# Altium PCB IPG.PcbDoc (part 1 of 10) (continued)
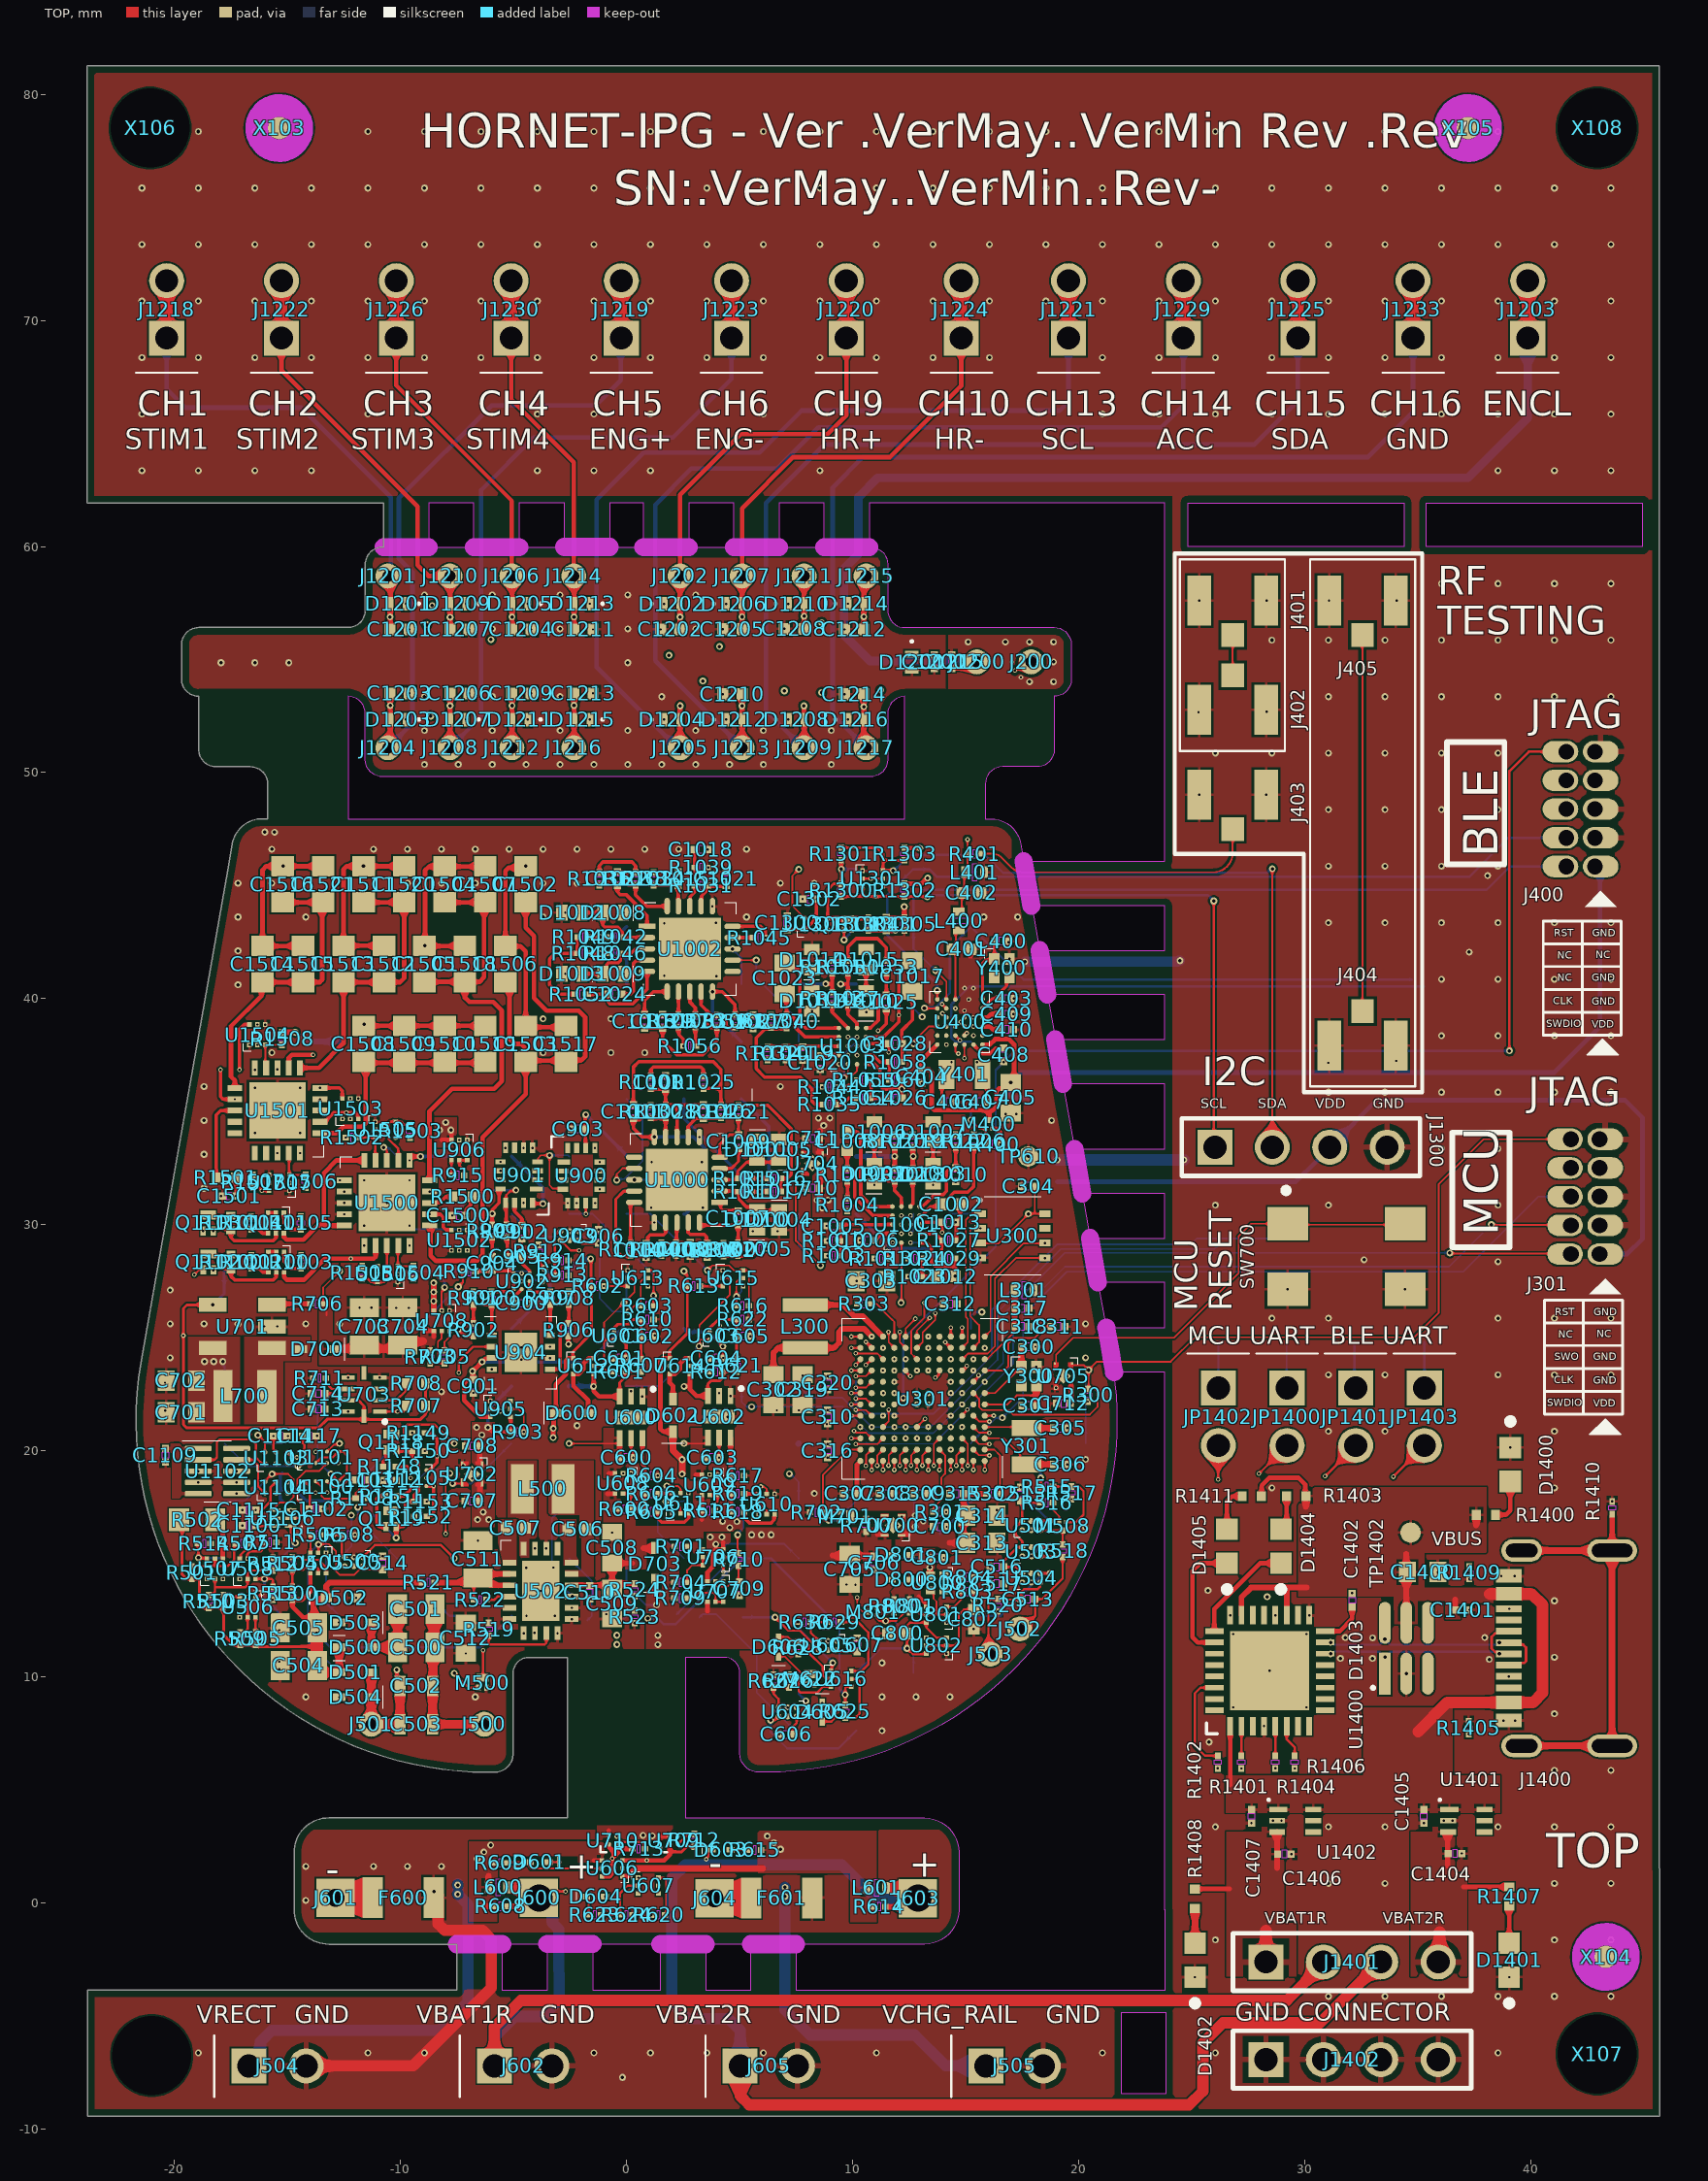
[diagram p0: TOP view]
## Design rules (kind name [scope] priority, off if disabled: settings) (continued)
DiffPairsRouting [All] p2: maxlimit=0.254 minlimit=0.254 mostfreqgap=0.254 toplayer_minwidth=0.381 toplayer_maxwidth=0.381 toplayer_prefwidth=0.381 midlayer1_minwidth=0.381 midlayer1_maxwidth=0.381 midlayer1_prefwidth=0.381 midlayer2_minwidth=0.381 midlayer2_maxwidth=0.381 midlayer2_prefwidth=0.381 midlayer3_minwidth=0.381 midlayer3_maxwidth=0.381 midlayer3_prefwidth=0.381 midlayer4_minwidth=0.381 midlayer4_maxwidth=0.381 midlayer4_prefwidth=0.381 midlayer5_minwidth=0.381 midlayer5_maxwidth=0.381 midlayer5_prefwidth=0.381 midlayer6_minwidth=0.381 midlayer6_maxwidth=0.381 midlayer6_prefwidth=0.381 midlayer7_minwidth=0.381 midlayer7_maxwidth=0.381 midlayer7_prefwidth=0.381 midlayer8_minwidth=0.381 midlayer8_maxwidth=0.381 midlayer8_prefwidth=0.381 bottomlayer_minwidth=0.381 bottomlayer_maxwidth=0.381 bottomlayer_prefwidth=0.381 substack1={3E7DB748-9F02-419D-9B08-30533E7470E3} toplayer_{3e7db748-9f02-419d-9b08-30533e7470e3}_minwidth=0.381 toplayer_{3e7db748-9f02-419d-9b08-30533e7470e3}_maxwidth=0.381 toplayer_{3e7db748-9f02-419d-9b08-30533e7470e3}_prefwidth=0.381 midlayer1_{3e7db748-9f02-419d-9b08-30533e7470e3}_minwidth=0.381 midlayer1_{3e7db748-9f02-419d-9b08-30533e7470e3}_maxwidth=0.381 midlayer1_{3e7db748-9f02-419d-9b08-30533e7470e3}_prefwidth=0.381 midlayer2_{3e7db748-9f02-419d-9b08-30533e7470e3}_minwidth=0.381 midlayer2_{3e7db748-9f02-419d-9b08-30533e7470e3}_maxwidth=0.381 midlayer2_{3e7db748-9f02-419d-9b08-30533e7470e3}_prefwidth=0.381 midlayer3_{3e7db748-9f02-419d-9b08-30533e7470e3}_minwidth=0.381 midlayer3_{3e7db748-9f02-419d-9b08-30533e7470e3}_maxwidth=0.381 midlayer3_{3e7db748-9f02-419d-9b08-30533e7470e3}_prefwidth=0.381 midlayer4_{3e7db748-9f02-419d-9b08-30533e7470e3}_minwidth=0.381 midlayer4_{3e7db748-9f02-419d-9b08-30533e7470e3}_maxwidth=0.381 midlayer4_{3e7db748-9f02-419d-9b08-30533e7470e3}_prefwidth=0.381 midlayer5_{3e7db748-9f02-419d-9b08-30533e7470e3}_minwidth=0.381 midlayer5_{3e7db748-9f02-419d-9b08-30533e7470e3}_maxwidth=0.381 midlayer5_{3e7db748-9f02-419d-9b08-30533e7470e3}_prefwidth=0.381 midlayer6_{3e7db748-9f02-419d-9b08-30533e7470e3}_minwidth=0.381 midlayer6_{3e7db748-9f02-419d-9b08-30533e7470e3}_maxwidth=0.381 midlayer6_{3e7db748-9f02-419d-9b08-30533e7470e3}_prefwidth=0.381 midlayer7_{3e7db748-9f02-419d-9b08-30533e7470e3}_minwidth=0.381 midlayer7_{3e7db748-9f02-419d-9b08-30533e7470e3}_maxwidth=0.381 midlayer7_{3e7db748-9f02-419d-9b08-30533e7470e3}_prefwidth=0.381 midlayer8_{3e7db748-9f02-419d-9b08-30533e7470e3}_minwidth=0.381 midlayer8_{3e7db748-9f02-419d-9b08-30533e7470e3}_maxwidth=0.381 midlayer8_{3e7db748-9f02-419d-9b08-30533e7470e3}_prefwidth=0.381 bottomlayer_{3e7db748-9f02-419d-9b08-30533e7470e3}_minwidth=0.381 bottomlayer_{3e7db748-9f02-419d-9b08-30533e7470e3}_maxwidth=0.381 bottomlayer_{3e7db748-9f02-419d-9b08-30533e7470e3}_prefwidth=0.381 filterlayerstackid={A074DC63-9603-4F09-AF23-0239F3F14C14} maxuncoupledlength=12.7
FabricationTestPointUsage [All] p1 off: valid=0 allowmultiple=FALSE
FabricationTestpoint [All] p1 off: side=3 testpointundercomponent=TRUE minsize=1.016 maxsize=2.54 preferedsize=1.524 minholesize=0 maxholesize=1.016 preferedholesize=0.813 testpointgrid=0.025 allowsidetop=TRUE allowsidebottom=TRUE usegrid=TRUE gridtolerance=0
FanoutControl Fanout_Default [All] p1: bgadir=Out bgaviamode=Centered fanoutstyle=Auto fanoutdirection=Alternating viagrid=0.025 // Fanout_Default (Default Rule)
HoleSize [All] p1: absolutevalues=TRUE maxlimit=5 minlimit=0.07 maxpercent=80.000 minpercent=20.000
HoleToHoleClearance HoleToHoleClearance_Drilled [IsBlindVia or IsThruVia vs IsBlindVia or IsThruVia] p1: gap=0.25 allowstackedmicrovias=FALSE
HoleToHoleClearance [IsVia vs IsVia] p2: gap=0.203 allowstackedmicrovias=FALSE
MatchedLengths [InDifferentialPair('USB')] p1: tolerance=1 checknetsindiffpair=FALSE checkdiffpairvsdiffpair=TRUE checkxsignals=TRUE checkothers=TRUE
MaxMinImpedance "Schematic Impedance Constraint" [InNetClass('50_OHM')] p1: minimum=50.00 maximum=50.00
MaxMinImpedance [InNet('NetC59_1')] p2: minimum=50.00 maximum=50.00
MinimumSolderMaskSliver MinimumSolderMaskSliver_GSS_PERF [All] p1: minsoldermaskwidth=0.076
NetAntennae [not (WithinRoom('ENPANEL') or WithinRoom('POWERIN') or WithinRoom('THERM'))] p1: netantennaetolerance=0
PermittedLayers [All] p1: toplayerpermitted=TRUE bottomlayerpermitted=TRUE
PlaneClearance [IsPolygon] p1 off: clearance=0.076
PlaneConnect [All] p1 off: planeconnectstyle=Direct reliefexpansion=0.508 reliefentries=4 reliefconductorwidth=0.254 reliefairgap=0.254
PolygonConnect PolygonConnect_BAT [InNet('VBAT1R') or InNet('VBAT2R') or InNet('VGND1R') or InNet('VGND2R') vs InNet('VBAT1R') or InNet('VBAT2R') or InNet('VGND1R') or InNet('VGND2R')] p1: connectstyle=Direct reliefconductorwidth=0.254 reliefentries=4 polygonreliefangle="90 Angle" airgapwidth=0.254
PolygonConnect PolygonConnect_DCDC [InNetClass('DCDC_LOOP') AND not InComponent('U706')] p2: connectstyle=Direct reliefconductorwidth=0.254 reliefentries=4 polygonreliefangle="90 Angle" airgapwidth=0.254
PolygonConnect PolygonConnect_POWER_0201 [InNetClass('POWER')AND Not InNet('GND') AND (HasFootprint('C0201_C') OR HasFootprint('R0201_C'))] p3: thpad.connectstyle=Relief thpad.reliefconductorwidth=0.127 thpad.reliefentries=4 thpad.polygonreliefangle="90 Angle" thpad.airgapwidth=0.076 smdpad.connectstyle=Relief smdpad.reliefconductorwidth=0.127 smdpad.reliefentries=4 smdpad.polygonreliefangle="90 Angle" smdpad.airgapwidth=0.076 via.connectstyle=Direct via.reliefconductorwidth=0.127 via.reliefentries=4 via.polygonreliefangle="90 Angle" via.airgapwidth=0.076
PolygonConnect PolygonConnect_POWER [InNetClass('POWER')AND Not InNet('GND')] p4: thpad.connectstyle=Relief thpad.reliefconductorwidth=0.127 thpad.reliefentries=4 thpad.polygonreliefangle="90 Angle" thpad.airgapwidth=0.127 smdpad.connectstyle=Relief smdpad.reliefconductorwidth=0.127 smdpad.reliefentries=4 smdpad.polygonreliefangle="90 Angle" smdpad.airgapwidth=0.127 via.connectstyle=Direct via.reliefconductorwidth=0.127 via.reliefentries=4 via.polygonreliefangle="90 Angle" via.airgapwidth=0.127
PolygonConnect PolygonConnect_ANT [InNet('NetC200_*') OR InNet('NetC208_2') OR InNet('ANT+')] p5: connectstyle=Direct reliefconductorwidth=0.102 reliefentries=4 polygonreliefangle="90 Angle" airgapwidth=0.102
PolygonConnect [All] p6: thpad.connectstyle=Relief thpad.reliefconductorwidth=0.254 thpad.reliefentries=4 thpad.polygonreliefangle="90 Angle" thpad.airgapwidth=0.254 smdpad.connectstyle=Relief smdpad.reliefconductorwidth=0.127 smdpad.reliefentries=4 smdpad.polygonreliefangle="90 Angle" smdpad.airgapwidth=0.102 via.connectstyle=Direct via.reliefconductorwidth=0.102 via.reliefentries=4 via.polygonreliefangle="90 Angle" via.airgapwidth=0.102
RoomDefinition BGA1 [False] p1: confinementstyle=ConfineIn formatcopy=TRUE lockcomponents=FALSE outline 13.478,37.668 13.478,40.208 15.983,40.208 15.983,37.668
RoomDefinition BGA6 [False] p2: confinementstyle=ConfineIn formatcopy=TRUE lockcomponents=FALSE outline -16.2,17.8 -12.395,17.8 -12.395,20.2 -16.2,20.2
RoomDefinition BGA2 [False] p3: confinementstyle=ConfineIn formatcopy=TRUE lockcomponents=FALSE outline 11.467,28.935 13.267,28.935 13.267,31.074 11.467,31.074
RoomDefinition BGA5 [False] p4: confinementstyle=ConfineIn formatcopy=TRUE lockcomponents=FALSE outline 9.145,36.88 10.855,36.88 10.855,38.92 9.145,38.92
RoomDefinition BGA4 [False] p5: confinementstyle=ConfineIn formatcopy=TRUE lockcomponents=FALSE outline 9.6,18.8 9.6,25.8 16.6,25.8 16.6,18.8
RoutingCorners [All] p1 off: cornerstyle=45-Degree minsetback=2.54 maxsetback=2.54
RoutingVias RoutingVia [All] p1: holewidth=0.102 width=0.203 viastyle="Through Hole" minholewidth=0.102 minwidth=0.203 maxholewidth=0.254 maxwidth=0.508 viatemplateguid#1={6F137D39-EFB3-471D-AB9A-2024EF80A49C} viatemplatename#1=70u/200u
SMDEntry [All] p1: side=TRUE corner=TRUE anyangle=TRUE
SMDNeckDown [All] p1 off: percent=50.000
SilkToSilkClearance [All] p1 off: silktosilkclearance=0.127
SilkToSolderMaskClearance SilkscreenOverComponentPads [All] p1: minsilkscreentomaskgap=0.102 clearancetoexposedcopper=FALSE
SolderMaskExpansion SolderMaskExpansion_Via [IsVia] p1: expansion=0.102 istentingtop=TRUE
SolderMaskExpansion SolderMaskExpansion_GSS_LE_BGA [WithinRoom('BGA1','BGA2','BGA3','BGA4','BGA5')] p2: expansion=0.06 istentingtop=FALSE
SolderMaskExpansion SolderMaskExpansion_GSS_PERF [not IsVia] p3: expansion=0.075 istentingtop=FALSE
SolderMaskExpansion SolderMaskExpansion_GSS_LE [All] p4 off: expansion=0.06 istentingtop=FALSE
SupplyNets "Schematic Supply Nets_9" [InNet('VLXSMPS')] p1: voltage=3.300
SupplyNets "Schematic Supply Nets_8" [InNet('CHG2_VCC')] p2: voltage=5.000
SupplyNets "Schematic Supply Nets_7" [InNet('CHG1_VCC')] p3: voltage=5.000
SupplyNets "Schematic Supply Nets_6" [InNet('ACC_VDD')] p4: voltage=3.300
SupplyNets "Schematic Supply Nets_4" [InNet('NetC410_1')] p5: voltage=3.300
SupplyNets "Schematic Supply Nets_3" [InNet('+VDD_BLE')] p6: voltage=3.300
SupplyNets "Schematic Supply Nets_2" [InNet('NetC409_2')] p7: voltage=3.300
SupplyNets "Schematic Supply Nets_1" [InNet('NetC408_2')] p8: voltage=3.300
SupplyNets "Schematic Supply Nets" [InNet('VDD11')] p9: voltage=3.300
SupplyNets "Schematic Supply Nets_50" [InNet('+VBUS')] p10: voltage=5.000
SupplyNets "Schematic Supply Nets_49" [InNet('+VCHG_RAIL')] p11: voltage=5.000
SupplyNets "Schematic Supply Nets_48" [InNet('+VDDS')] p12: voltage=3.300
SupplyNets "Schematic Supply Nets_47" [InNet('+DVDD')] p13: voltage=3.300
SupplyNets "Schematic Supply Nets_46" [InNet('+VDDA')] p14: voltage=3.300
SupplyNets "Schematic Supply Nets_45" [InNet('+VGND2R')] p15: voltage=0.000
SupplyNets "Schematic Supply Nets_44" [InNet('+VBAT2CHG')] p16: voltage=0.000
SupplyNets "Schematic Supply Nets_43" [InNet('+VCARR')] p17: voltage=0.000
SupplyNets "Schematic Supply Nets_42" [InNet('+VGND1R')] p18: voltage=0.000
SupplyNets "Schematic Supply Nets_41" [InNet('+VPP')] p19: voltage=0.000
SupplyNets "Schematic Supply Nets_40" [InNet('+VBAT1CHG')] p20: voltage=0.000
SupplyNets "Schematic Supply Nets_39" [InNet('+V_UNREG')] p21: voltage=0.000
SupplyNets "Schematic Supply Nets_38" [InNet('+VIMP_3V3')] p22: voltage=0.000
SupplyNets "Schematic Supply Nets_37" [InNet('+VBAT2F')] p23: voltage=0.000
SupplyNets "Schematic Supply Nets_36" [InNet('+HVOUT')] p24: voltage=0.000
SupplyNets "Schematic Supply Nets_35" [InNet('+HVIN')] p25: voltage=0.000
SupplyNets "Schematic Supply Nets_33" [InNet('+VBAT1SW')] p26: voltage=0.000
SupplyNets "Schematic Supply Nets_32" [InNet('+VBAT1R')] p27: voltage=0.000
SupplyNets "Schematic Supply Nets_31" [InNet('+VIMP_PP')] p28: voltage=0.000
SupplyNets "Schematic Supply Nets_30" [InNet('+VBAT2SW')] p29: voltage=0.000
SupplyNets "Schematic Supply Nets_29" [InNet('+VRECT')] p30: voltage=0.000
SupplyNets "Schematic Supply Nets_28" [InNet('+VBAT2R')] p31: voltage=0.000
SupplyNets "Schematic Supply Nets_27" [InNet('+VMAGNET')] p32: voltage=0.000
SupplyNets "Schematic Supply Nets_26" [InNet('+DCDC_IN')] p33: voltage=0.000
SupplyNets "Schematic Supply Nets_25" [InNet('+VBAT1F')] p34: voltage=0.000
SupplyNets "Schematic Supply Nets_15" [InNet('GND')] p35: voltage=0.000
UnConnectedPin [All] p1 off:
UnRoutedNet [All] p1: checkbadconnections=TRUE
Width Width_ANT_TOP_layer [OnLayer('TOP') and InNetClass('50_OHM')] p1: maxlimit=0.254 minlimit=0.076 preferedwidth=0.254 toplayer_minwidth=0.084 toplayer_maxwidth=0.084 toplayer_prefwidth=0.084 substack1={3E7DB748-9F02-419D-9B08-30533E7470E3} toplayer_{3e7db748-9f02-419d-9b08-30533e7470e3}_minwidth=0.254 midlayer1_{3e7db748-9f02-419d-9b08-30533e7470e3}_minwidth=0.254 midlayer2_{3e7db748-9f02-419d-9b08-30533e7470e3}_minwidth=0.254 midlayer3_{3e7db748-9f02-419d-9b08-30533e7470e3}_minwidth=0.254 midlayer6_{3e7db748-9f02-419d-9b08-30533e7470e3}_minwidth=0.254 bottomlayer_{3e7db748-9f02-419d-9b08-30533e7470e3}_minwidth=0.254 impedanceprofiledriven=TRUE impedanceprofileid={823FEB0B-B66F-45F3-9F92-E5AAAC55A20F} impedanceprofilevalue=50.000000 minimp=50.000000 maximp=50.000000 favimp=50.000000
Width Width_ANT_inner_layer [OnLayer('POWER') and InNetClass('50_OHM')] p2: maxlimit=0.076 minlimit=0.029 preferedwidth=0.071 midlayer5_minwidth=0.071 midlayer5_maxwidth=0.071 substack1={3E7DB748-9F02-419D-9B08-30533E7470E3} toplayer_{3e7db748-9f02-419d-9b08-30533e7470e3}_minwidth=0.254 toplayer_{3e7db748-9f02-419d-9b08-30533e7470e3}_maxwidth=0.254 toplayer_{3e7db748-9f02-419d-9b08-30533e7470e3}_prefwidth=0.254 midlayer1_{3e7db748-9f02-419d-9b08-30533e7470e3}_minwidth=0.254 midlayer1_{3e7db748-9f02-419d-9b08-30533e7470e3}_maxwidth=0.254 midlayer1_{3e7db748-9f02-419d-9b08-30533e7470e3}_prefwidth=0.254 midlayer2_{3e7db748-9f02-419d-9b08-30533e7470e3}_minwidth=0.254 midlayer2_{3e7db748-9f02-419d-9b08-30533e7470e3}_maxwidth=0.254 midlayer2_{3e7db748-9f02-419d-9b08-30533e7470e3}_prefwidth=0.254 midlayer3_{3e7db748-9f02-419d-9b08-30533e7470e3}_minwidth=0.254 midlayer3_{3e7db748-9f02-419d-9b08-30533e7470e3}_maxwidth=0.254 midlayer3_{3e7db748-9f02-419d-9b08-30533e7470e3}_prefwidth=0.254 midlayer5_{3e7db748-9f02-419d-9b08-30533e7470e3}_minwidth=0.089 midlayer5_{3e7db748-9f02-419d-9b08-30533e7470e3}_maxwidth=0.089 midlayer5_{3e7db748-9f02-419d-9b08-30533e7470e3}_prefwidth=0.089 midlayer6_{3e7db748-9f02-419d-9b08-30533e7470e3}_minwidth=0.254 midlayer6_{3e7db748-9f02-419d-9b08-30533e7470e3}_maxwidth=0.254 midlayer6_{3e7db748-9f02-419d-9b08-30533e7470e3}_prefwidth=0.254 bottomlayer_{3e7db748-9f02-419d-9b08-30533e7470e3}_minwidth=0.254 bottomlayer_{3e7db748-9f02-419d-9b08-30533e7470e3}_maxwidth=0.254 bottomlayer_{3e7db748-9f02-419d-9b08-30533e7470e3}_prefwidth=0.254 impedanceprofiledriven=TRUE impedanceprofileid={6B18A218-5760-4BF1-B6E5-0FB2CE448664} impedanceprofilevalue=50.000000 minimp=50.000000 maximp=50.000000 favimp=50.000000
Width Width_ANALOG [InNetClass('ANALOG')] p3: maxlimit=2 minlimit=0.102 preferedwidth=0.102 substack1={3E7DB748-9F02-419D-9B08-30533E7470E3} toplayer_{3e7db748-9f02-419d-9b08-30533e7470e3}_maxwidth=10 midlayer1_{3e7db748-9f02-419d-9b08-30533e7470e3}_maxwidth=10 midlayer2_{3e7db748-9f02-419d-9b08-30533e7470e3}_maxwidth=10 midlayer3_{3e7db748-9f02-419d-9b08-30533e7470e3}_maxwidth=10 midlayer4_{3e7db748-9f02-419d-9b08-30533e7470e3}_maxwidth=10 midlayer5_{3e7db748-9f02-419d-9b08-30533e7470e3}_maxwidth=10 midlayer6_{3e7db748-9f02-419d-9b08-30533e7470e3}_maxwidth=10 midlayer7_{3e7db748-9f02-419d-9b08-30533e7470e3}_maxwidth=10 midlayer8_{3e7db748-9f02-419d-9b08-30533e7470e3}_maxwidth=10 bottomlayer_{3e7db748-9f02-419d-9b08-30533e7470e3}_maxwidth=10
Width Width_GSS_STD_3mil [All] p4: maxlimit=10 minlimit=0.076 preferedwidth=0.127 substack1={3E7DB748-9F02-419D-9B08-30533E7470E3} toplayer_{3e7db748-9f02-419d-9b08-30533e7470e3}_prefwidth=0.102 midlayer1_{3e7db748-9f02-419d-9b08-30533e7470e3}_prefwidth=0.102 midlayer2_{3e7db748-9f02-419d-9b08-30533e7470e3}_prefwidth=0.102 midlayer3_{3e7db748-9f02-419d-9b08-30533e7470e3}_prefwidth=0.102 midlayer4_{3e7db748-9f02-419d-9b08-30533e7470e3}_prefwidth=0.102 midlayer5_{3e7db748-9f02-419d-9b08-30533e7470e3}_prefwidth=0.102 midlayer6_{3e7db748-9f02-419d-9b08-30533e7470e3}_prefwidth=0.102 midlayer7_{3e7db748-9f02-419d-9b08-30533e7470e3}_prefwidth=0.102 midlayer8_{3e7db748-9f02-419d-9b08-30533e7470e3}_prefwidth=0.102 bottomlayer_{3e7db748-9f02-419d-9b08-30533e7470e3}_prefwidth=0.102
9 further rules are at their usual default settings.

## Classes and differential pairs
net class DCDC_LOOP: +HVIN BST1_VCHG BST2_VCHG NetD700_2 SW1_VCHG SW2_VCHG
component class "Stim. CH Selection": C1500 C1501 C1502 C1503 C1504 C1505 C1506 C1507 C1508 C1509 C1510 C1511 C1512 C1513 C1514 C1515 C1516 C1517 C1518 C1519 C1520 C1521 R1500 R1501 R1502 R1503 R1504 R1505 R1506 R1507 R1508 TP1500 TP1501 TP1502 U1500 U1501 U1502 U1503 U1504 U1505 U1506 U1507
net class POWER: +DCDC_IN +DVDD +HVIN +HVOUT +V_UNREG +VBAT1CHG +VBAT1F +VBAT1R +VBAT1SW +VBAT2CHG +VBAT2F +VBAT2R +VBAT2SW +VCARR +VCHG_RAIL +VDD_BLE +VDDA +VDDS +VMAGNET +VPP +VRECT ACC_VDD BST1_VCHG BST2_VCHG CHG1_VCC CHG2_VCC COIL_PAD_1 COIL_PAD_2 NetC408_2 NetC409_2 NetC410_1 NetD600_2 NetD602_2 NetD700_2 NetR701_2 SW1_VCHG SW2_VCHG VDD11 VLXSMPS
net class DIGITAL: ACC.SCL ACC.SDA ACC_EN AMPL_RSTn BATT.MON_EN BATT.SW_EN BLE_P.1 BLE_P.2 BLE_PWRn BLE_RSTn BLE_SWDCLK BLE_SWDIO BLE_XL1 BLE_XL2 CB_EN CHG1.EN CHG1.OVP_ERRn CHG1.STATUS CHG2.EN CHG2.OVP_ERRn CHG2.STATUS CHG_RATE1 CHG_RATE2 DEBUG_UART_RX DEBUG_UART_TX ECG.HR_LOD ECG.HR_SDNn ECG.RLD ECG.RR_LOD ECG.RR_SDNn ENG1.LOD ENG1.SDNn ENG2.LOD ENG2.SDNn FRAM_EN HV_EN HVSW_EN I2C2.SCL I2C2.SDA IMP_EN IMP_ENn IMP_IN+_SEL IMP_IN-_SEL0 IMP_IN-_SEL1 IMP_IN-_SEL2 IPG_SHDN MAG_DET MUX_ENn NetC400_1 NetC403_1 PG_START PH1_EN PH2_EN SNK1 SNK2 SNK3 SNK4 SNK5 SPI1.BLE_CSn SPI1.FRAM_CSn SPI1.MISO SPI1.MOSI SPI1.SCK SRC1 SRC2 STIM_EN STIM_SEL.CH1n STIM_SEL.CH2n STIM_SEL.CH3n STIM_SEL.CH4n STIM_SEL.ENCLn STIMA_SELn STIMB_SELn SWCLK SWDIO SWO SYS_RSTn TEMP_EN USB_N USB_P VCHG_DISABLE VCHG_PGOOD VDDA_EN VDDS_EN VNSb_EN VPPSW_EN VRECT.DETn VRECT.MON_EN VRECT.OVPn XL_SCL XL_SDA
net class ANALOG: B1 B2 BASE_VCC1 BASE_VCC2 BATT.MON1 BATT.MON2 BATT_SW CH1 CH1_STIM_OR_SINK CH2 CH2_STIM_OR_SINK CH3 CH3_STIM_OR_SINK CH4 CH4_STIM_OR_SINK DAC1_VOUTA DAC1_VOUTB ECG.HR_OUT ECG.RR_OUT ECG_HR+ ECG_HR- ECG_RR+ ECG_RR- ENCL ENCL_STIM_OR_SINK ENG1+ ENG1- ENG1.OUT ENG2+ ENG2- ENG2.OUT HPF_1V5 IMP_OUT+ IMP_OUT- IREF1 IREF2 NetC904_2 NetC905_2 NetR1148_1 NetR1151_1 RC2_VC SINK_CH1 SINK_CH2 SINK_CH3 SINK_CH4 SINK_ENCL STIM1 STIM2 STIMA STIMB THERM.OFST THERM.OUT THERM.REF VBUFF_IN+ VBUFF_IN- VDAC1_BUF VDAC2_BUF VDACA VDACB VIMC_IN+ VIMC_IN- VRECT.MON
component class "Test Fixture": C1400 C1401 C1402 C1404 C1405 C1406 C1407 D1400 D1401 D1402 D1403 D1404 D1405 J1400 J1401 J1402 JP1400 JP1401 JP1402 JP1403 R1400 R1401 R1402 R1403 R1404 R1405 R1406 R1407 R1408 R1409 R1410 R1411 TP1402 TP1405 TP1406 U1400 U1401 U1402
component class Digital: C1300 C1301 C1302 J1300 Q1300 R1300 R1301 R1302 R1303 R1304 R1305 TP1300 TP1301 TP1302 U1300 U1301
component class WPT: C500 C501 C502 C503 C504 C505 C506 C507 C508 C509 C510 C511 C512 C513 C514 C515 C516 C517 D500 D501 D502 D503 D504 J500 J501 J502 J503 J504 J505 L500 M500 M508 R500 R501 R502 R503 R504 R505 R506 R507 R508 R509 R510 R511 R512 R513 R514 R515 R516 R517 R518 R519 R520 R521 R522 R523 R524 TP500 TP501 TP502 TP503 TP504 TP505 TP506 TP507 TP508 TP509 TP510 TP511 TP512 TP513 TP514 TP515 U500 U501 U502 U503 U504 U505 U506 U507 U508
component class U_System: J200
component class "STM32 MCU": C300 C301 C302 C303 C304 C305 C306 C307 C308 C309 C310 C311 C312 C313 C314 C315 C316 C317 C318 C319 C320 J301 L300 L301 R300 R301 R302 R303 TP300 TP301 TP302 TP303 TP304 TP305 U300 U301 Y300 Y301
component class Stimulation: C1100 C1102 C1103 C1109 C1112 C1114 C1115 C1117 Q1100 Q1101 Q1102 Q1103 Q1118 Q1119 R1100 R1101 R1102 R1103 R1104 R1105 R1108 R1148 R1149 R1150 R1151 R1152 R1153 TP1100 TP1101 TP1104 TP1105 TP1107 TP1108 TP1109 TP1110 TP1111 TP1112 TP1113 TP1114 TP1115 U1100 U1101 U1102 U1103 U1104 U1105 U1106
component class Sensing: C1000 C1001 C1002 C1003 C1004 C1005 C1006 C1007 C1008 C1009 C1010 C1011 C1012 C1013 C1014 C1015 C1016 C1017 C1018 C1019 C1020 C1021 C1022 C1023 C1024 C1025 C1026 C1027 C1028 C1029 D1000 D1001 D1002 D1003 D1004 D1005 D1006 D1007 D1008 D1009 D1010 D1011 D1012 D1013 D1014 D1015 R1000 R1001 R1002 R1003 R1004 R1005 R1006 R1007 R1008 R1009 R1010 R1011 R1012 R1013 R1014 R1015 R1016 R1017 R1018 R1019 R1020 R1021 R1022 R1023 R1024 R1025 R1026 R1027 R1028 R1029 R1030 R1031 R1032 R1033 R1034 R1035 R1036 R1037 R1038 R1039 R1040 R1041 R1042 R1043 R1044 R1045 R1046 R1047 R1048 R1049 R1050 R1051 R1052 R1053 R1054 R1055 R1056 R1057 R1058 R1059 R1060 R1061 TP1000 TP1001 TP1003 TP1004 TP1005 TP1006 TP1007 TP1008 TP1009 TP1010 TP1011 TP1012 TP1013 TP1014 TP1015 TP1016 TP1017 TP1018 TP1019 TP1020 TP1021 U1000 U1001 U1002 U1003
component class "Power Management": C700 C701 C702 C703 C704 C705 C706 C707 C708 C709 C710 C711 C712 C713 C714 D700 D703 L700 M701 R700 R701 R702 R703 R704 R705 R706 R707 R708 R709 R710 R711 R712 R713 SW700 TP700 TP701 TP702 TP703 TP704 TP705 TP706 TP707 TP708 TP709 TP710 TP711 TP712 TP713 TP714 U700 U701 U702 U703 U704 U705 U706 U707 U708 U709 U710
component class "Magnet Sensor": C800 C801 C802 D800 D801 M801 R800 R801 R803 R804 TP800 TP801 TP802 TP803 U800 U801 U802
component class IMC: C900 C901 C902 C903 C904 C905 C906 R900 R901 R902 R903 R906 R907 R908 R909 R910 R911 R912 R913 R914 R915 TP900 TP901 TP902 TP903 TP904 TP905 TP906 TP907 TP908 TP909 TP910 U900 U901 U902 U903 U904 U905 U906
component class Electrodes: C1200 C1201 C1202 C1203 C1204 C1205 C1206 C1207 C1208 C1209 C1210 C1211 C1212 C1213 C1214 C1215 D1200 D1201 D1202 D1203 D1204 D1205 D1206 D1207 D1208 D1209 D1210 D1211 D1212 D1213 D1214 D1215 D1216 J1200 J1201 J1202 J1203 J1204 J1205 J1206 J1207 J1208 J1209 J1210 J1211 J1212 J1213 J1214 J1215 J1216 J1217 J1218 J1219 J1220 J1221 J1222 J1223 J1224 J1225 J1226 J1229 J1230 J1233
component class 01-Cover: X100 X101 X102 X103 X104 X105 X106 X107 X108
component class BLE: BLE_SWDCLK C400 C401 C402 C403 C404 C405 C406 C407 C408 C409 C410 J400 J401 J402 J403 J404 J405 L400 L401 M400 R400 R401 TP400 TP401 TP402 TP403 TP404 TP405 TP406 U400 Y400 Y401
component class "Battery Management": C600 C601 C602 C603 C604 C605 C606 C607 D600 D601 D602 D603 D604 D605 D606 F600 F601 J600 J601 J602 J603 J604 J605 L600 L601 M622 R600 R601 R602 R603 R604 R605 R606 R607 R608 R609 R610 R611 R612 R613 R614 R615 R616 R617 R618 R619 R620 R621 R622 R623 R624 R625 R626 R627 R628 R629 R630 TP600 TP601 TP602 TP603 TP604 TP605 TP606 TP607 TP608 TP609 TP610 TP611 TP612 TP613 TP614 TP615 TP616 TP617 TP618 TP619 TP620 TP621 TP622 TP623 TP624 TP625 TP626 TP627 TP628 TP629 TP630 TP631 TP632 TP633 TP634 TP635 U600 U601 U602 U603 U604 U605 U606 U607 U608 U609 U610 U611 U612 U613 U614 U615 U616
net class 50_OHM: ANT+ NetC401_2 NetJ401_1 NetJ404_1 UFL
differential pair USB: +USB_P -USB_N

## Components (designator, comment, footprint, x,y, rotation, side; value= is the part's Value field where it differs from the comment)
C300 "GRM0335C1E120JA01D" C0201_C 17.8,24.6 r180 top value=12pF
C301 "GRM0335C1E120JA01D" C0201_C 17.8,22 r180 top value=12pF
C302 "GRM188R61C475KE11" CAP0603_REDUCED#1 6.5,22.7 r90 top value=4.7uF
C303 "GRM188R61C475KE11" CAP0603_REDUCED#1 10.838,27.508 r0 top value=4.7uF
C304 "GRM033R61E104KE14J" C0201_C 17.78,31.699 r0 top value=100nF
C305 "GRM0335C1E120JA01D" C0201_C 19.2,21 r180 top value=12pF
C306 "GRM0335C1E120JA01D" C0201_C 19.2,19.4 r180 top value=12pF
C307 "GRM033R61E104KE14J" C0201_C 9.9,18.1 r0 top value=100nF
C308 "GRM033R61E104KE14J" C0201_C 11.5,18.1 r0 top value=100nF
C309 "GRM033R61E104KE14J" C0201_C 13,18.1 r0 top value=100nF
C310 "GRM033R61E104KE14J" C0201_C 8.9,21.5 r90 top value=100nF
C311 "GRM033R61E104KE14J" C0201_C 19.1,25.5 r180 top value=100nF
C312 "GRM033R61E104KE14J" C0201_C 14.326,26.492 r0 top value=100nF
C313 "GRM188R61C475KE11" CAP0603_REDUCED#1 15.724,15.922 r0 top value=4.7uF
C314 "GRM188R61C475KE11" CAP0603_REDUCED#1 15.724,17.124 r0 top value=4.7uF
C315 "GRM033R61E104KE14J" C0201_C 14.6,18.1 r0 top value=100nF
C316 "GRM033R61E104KE14J" C0201_C 8.9,20 r270 top value=100nF
C317 "GRM033R61C105ME15D" C0201_C 17.5,26.3 r0 top value=1uF
C318 "GRM033R61E104KE14J" C0201_C 17.5,25.5 r180 top value=100nF
C319 "GRM188R61C475KE11" CAP0603_REDUCED#1 7.8,22.7 r270 top value=4.7uF
C320 "GRM033R61E104KE14J" C0201_C 8.9,23 r90 top value=100nF
C400 "GRM0335C1E120JA01D" C0201_C 16.586,42.545 r0 top value=12pF
C401 "600L0R8AT200T" CAP0402_REDUCED 14.834,42.189 r180 top value=0.8pF
C402 "600L1R0AT200T" CAP0402_REDUCED 15.265,44.679 r180 top value=1pF
C403 "GRM0335C1E120JA01D" C0201_C 16.82,40.005 r0 top value=12pF
C404 "GRM033R61E104KE14J" C0201_C 13.053,36.556 r90 top value=100nF
C405 "GRM188R61C475KE11" CAP0603_REDUCED#1 17,35.617 r270 top value=4.7uF
C406 "GRM0335C1E120JA01D" C0201_C 14.253,35.436 r180 top value=12pF
C407 "GRM0335C1E120JA01D" C0201_C 15.653,35.436 r0 top value=12pF
C408 "GRM033R61E104KE14J" C0201_C 16.688,37.516 r90 top value=100nF
C409 "GRM033R71E101KA01D" C0201_C 16.82,39.319 r180 top value=100pF
C410 "GRM033R61C105ME15D" C0201_C 16.82,38.633 r0 top value=1uF
C500 "GRM2195C2A273GE01D" CAP0805_REDUCED -9.3,11.3 r180 top value=27nF
C501 "GRM2195C2A273GE01D" CAP0805_REDUCED -9.3,13 r180 top value=27nF
C502 "C0603C472F3GECTU" CAP0603_REDUCED#2 -9.3,9.6 r0 top value=4.7nF
C503 "C0603C472F3GECTU" CAP0603_REDUCED#2 -9.3,7.9 r0 top value=4.7nF
C504 "GCM21BC7YA475KE36L" CAP0805_REDUCED -14.5,10.5 r0 top value=4.7uF
C505 "GCM21BC7YA475KE36L" CAP0805_REDUCED -14.5,12.167 r0 top value=4.7uF
C506 "GCM155R71H223KA55D" CAP0402_REDUCED -2.171,16.535 r0 top value=0.022uF
C507 "GCM155R71H223KA55D" CAP0402_REDUCED -4.902,16.586 r0 top value=0.022uF
C508 "GRM188R61C475KE11" CAP0603_REDUCED#1 -0.636,15.704 r90 top value=4.7uF
C509 "GRM188R61C475KE11" CAP0603_REDUCED#1 -0.636,13.242 r270 top value=4.7uF
C510 "GRM033R61E104KE14J" C0201_C -1.632,13.737 r90 top value=100nF
C511 "GCM21BC7YA475KE36L" CAP0805_REDUCED -6.575,15.2 r270 top value=4.7uF
C512 "GRM188R61C475KE11" CAP0603_REDUCED#1 -7.112,11.709 r270 top value=4.7uF
C513 "GRM0335C1E330JA01D" C0201_C 17.755,13.437 r0 top value=33pF
C514 "GRM033R61E104KE14J" C0201_C -10.795,15.037 r270 top value=100nF
C515 "GRM033R61E104KE14J" C0201_C 17.45,18.085 r270 top value=100nF
C516 "GRM033R61E104KE14J" C0201_C 16.383,14.859 r0 top value=100nF
C517 "GRM033R61E104KE14J" C0201_C 16.383,14.122 r0 top value=100nF
C600 "GRM033R61C105ME15D" C0201_C 0,19.7 r0 top value=1uF
C601 "GRM033R61E104KE14J" C0201_C -0.305,24.105 r0 top value=100nF
C602 "GCM033R71E471KA03D" C0201_C 0.957,25.069 r180 top value=470pF
C603 "GRM033R61C105ME15D" C0201_C 3.8,19.7 r0 top value=1uF
C604 "GRM033R61E104KE14J" C0201_C 3.983,24.105 r0 top value=100nF
C605 "GCM033R71E471KA03D" C0201_C 5.186,25.069 r180 top value=470pF
C606 "GRM033R61E104KE14J" C0201_C 7.061,7.449 r0 top value=100nF
C607 "GRM033R61E104KE14J" C0201_C 10.211,11.414 r270 top value=100nF
C700 "GRM033R61E104KE14J" C0201_C 13.868,16.637 r180 top value=100nF
C701 "GRM188R61C475KE11" CAP0603_REDUCED#1 -19.7,21.7 r180 top value=4.7uF
C702 "GRM188R61C475KE11" CAP0603_REDUCED#1 -19.7,23.1 r180 top value=4.7uF
C703 "GCM21BC7YA475KE36L" CAP0805_REDUCED -11.6,25.5 r90 top value=4.7uF
C704 "GCM21BC7YA475KE36L" CAP0805_REDUCED -9.9,25.5 r90 top value=4.7uF
C705 "GRM188R61C475KE11" CAP0603_REDUCED#1 9.881,14.757 r270 top value=4.7uF
C706 "GRM033R61E104KE14J" C0201_C 10.947,15.037 r90 top value=100nF
C707 "GRM033R61E104KE14J" C0201_C -6.833,17.774 r0 top value=100nF
C708 "GRM033R61E104KE14J" C0201_C -6.825,20.211 r0 top value=100nF
C709 "GRM033R61E104KE14J" C0201_C 4.999,13.899 r90 top value=100nF
C710 "GRM033R61E104KE14J" C0201_C 8.23,31.613 r0 top value=100nF
C711 "GRM033R61E104KE14J" C0201_C 8.23,33.813 r0 top value=100nF
C712 "GRM033R61E104KE14J" C0201_C 19.334,22.096 r0 top value=100nF
C713 "GRM033R61E104KE14J" C0201_C -13.64,21.844 r0 top value=100nF
C714 "GRM033R61C105ME15D" C0201_C -13.64,22.53 r0 top value=1uF
C800 "ZRB15XR61A106ME01D" CAP0402_REDUCED 11.989,11.913 r180 top value=10uF
C801 "GRM033R61E104KE14J" C0201_C 13.741,15.265 r180 top value=100nF
C802 "ZRB15XR61A106ME01D" CAP0402_REDUCED 15.367,12.548 r90 top value=10uF
C900 "GRM033R61E104KE14J" C0201_C -4.649,26.523 r180 top value=100nF
C901 "GRM033R61E104KE14J" C0201_C -6.782,22.86 r90 top value=100nF
C902 "GRM033R61E104KE14J" C0201_C -4.623,29.668 r90 top value=100nF
C903 "GRM033R61E104KE14J" C0201_C -2.134,34.239 r0 top value=100nF
C904 "GRM033R61E104KE14J" C0201_C -5.944,28.275 r90 top value=100nF
C905 "GRM033R61E104KE14J" C0201_C -4.928,28.575 r180 top value=100nF
C906 "GRM033R61E104KE14J" C0201_C -1.245,29.489 r270 top value=100nF
C1000 "GRM033R60J155ME14D" C0201_C 3.581,28.861 r90 top value=1.5uF
C1001 "GRM033R61C183KE84D" C0201_C 1.733,36.299 r270 top value=18nF
C1002 "CGA2B1X7S1C334K050BC" CAP0402_REDUCED 14.367,30.904 r180 top value=0.33uF
C1003 "GRM033R61E104KE14J" C0201_C 2.818,28.897 r90 top value=100nF
C1004 "GRM033R61E104KE14J" C0201_C 0.864,28.861 r90 top value=100nF
C1005 "GRM033R61E104KE14J" C0201_C 9.169,29.947 r0 top value=100nF
C1006 "GRM033R61E104KE14J" C0201_C 10.667,29.304 r0 top value=100nF
C1007 "GRM033R61C183KE84D" C0201_C 4.955,30.31 r270 top value=18nF
C1008 "CGA2B1X7S1C334K050BC" CAP0402_REDUCED 9.767,33.704 r270 top value=0.33uF
C1009 "GRM033R71E102KA01J" C0201_C 4.96,33.68 r270 top value=1nF
C1010 "GRM033R71E102KA01J" C0201_C 14.567,32.204 r270 top value=1nF
C1011 "GRM0335C1E330JA01D" C0201_C 0.301,35 r270 top value=33pF
C1012 "GCM155R71H152KA37D" CAP0402_REDUCED 14.122,27.711 r180 top value=1500pF
C1013 "GRM033R71E102KA01J" C0201_C 14.267,30.104 r180 top value=1nF
C1014 "GRM033R71E331KA01D" C0201_C 3.404,35 r270 top value=330pF
C1015 "GRM033R60J155ME14D" C0201_C 2.286,45.314 r270 top value=1.5uF
C1016 "GRM033R61C183KE84D" C0201_C 0.8,39 r270 top value=18nF
C1017 "GRM188Z71C225ME43J" CAP0603_REDUCED#1 12.649,40.996 r270 top value=2.2uF
C1018 "GRM033R61E104KE14J" C0201_C 3.3,46.6 r0 top value=100nF
C1019 "GRM033R61E104KE14J" C0201_C 7.8,37.57 r90 top value=100nF
C1020 "GRM033R61E104KE14J" C0201_C 8.572,37.17 r90 top value=100nF
C1021 "GRM033R61E104KE14J" C0201_C 4.4,45.3 r90 top value=100nF
C1022 "GRM033R61C183KE84D" C0201_C -0.4,45.3 r90 top value=18nF
C1023 "GRM188Z71C225ME43J" CAP0603_REDUCED#1 7,40.9 r270 top value=2.2uF
C1024 "GRM033R71E102KA01J" C0201_C -0.5,40.2 r0 top value=1nF
C1025 "GRM033R71E102KA01J" C0201_C 11.5,39.851 r270 top value=1nF
C1026 "GRM033R61E104KE14J" C0201_C 11.9,35.6 r180 top value=100nF
C1027 "GRM0335C1E330JA01D" C0201_C 5.6,38.97 r90 top value=33pF
C1028 "GRM033R61E104KE14J" C0201_C 11.9,38 r180 top value=100nF
C1029 "GRM033R71E331KA01D" C0201_C 1.6,39 r90 top value=330pF
C1100 "GRM033R61E104KE14J" C0201_C -16.703,16.697 r0 top value=100nF
C1102 "GRM033R61E104KE14J" C0201_C -13.737,17.43 r180 top value=100nF
C1103 "GRM033R61E104KE14J" C0201_C -11.7,18.7 r0 top value=100nF
C1109 "GRM033R61E104KE14J" C0201_C -20.4,19.8 r90 top value=100nF
C1112 "GRM033R61E104KE14J" C0201_C -10.49,18.694 r0 top value=100nF
C1114 "GRM033R61E104KE14J" C0201_C -15.327,20.652 r180 top value=100nF
C1115 "GRM033R61E104KE14J" C0201_C -16.703,17.374 r0 top value=100nF
C1117 "GRM033R61E104KE14J" C0201_C -14.036,20.652 r180 top value=100nF
C1200 "GRT0335C1E680JA02D" C0201_C 13.614,54.908 r270 top value=68pF
C1201 "C1005C0G2A681J050BE" CAP0402_REDUCED -10.038,56.335 r180 top value=680pF
C1202 "C1005C0G2A681J050BE" CAP0402_REDUCED 1.93,56.337 r0 top value=680pF
C1203 "C1005C0G2A681J050BE" CAP0402_REDUCED -10.038,53.505 r180 top value=680pF
C1204 "C1005C0G2A681J050BE" CAP0402_REDUCED -4.648,56.335 r180 top value=680pF
C1205 "C1005C0G2A681J050BE" CAP0402_REDUCED 4.684,56.346 r0 top value=680pF
C1206 "C1005C0G2A681J050BE" CAP0402_REDUCED -7.388,53.505 r180 top value=680pF
C1207 "C1005C0G2A681J050BE" CAP0402_REDUCED -7.388,56.335 r180 top value=680pF
C1208 "C1005C0G2A681J050BE" CAP0402_REDUCED 7.419,56.363 r0 top value=680pF
C1209 "C1005C0G2A681J050BE" CAP0402_REDUCED -4.648,53.505 r180 top value=680pF
C1210 "C1005C0G2A681J050BE" CAP0402_REDUCED 4.684,53.467 r0 top value=680pF
C1211 "C1005C0G2A681J050BE" CAP0402_REDUCED -1.909,56.335 r180 top value=680pF
C1212 "C1005C0G2A681J050BE" CAP0402_REDUCED 10.067,56.337 r0 top value=680pF
C1213 "C1005C0G2A681J050BE" CAP0402_REDUCED -1.909,53.505 r180 top value=680pF
C1214 "C1005C0G2A681J050BE" CAP0402_REDUCED 10.067,53.467 r0 top value=680pF
C1215 "GRT0335C1E680JA02D" C0201_C 14.393,54.908 r270 top value=68pF
C1300 "GRM033R61E104KE14J" C0201_C 7.112,43.358 r270 top value=100nF
C1301 "GRM033R61C105ME15D" C0201_C 11.5,43.3 r270 top value=1uF
C1302 "GRM033R61E104KE14J" C0201_C 8.103,44.399 r0 top value=100nF